# KiCad board soldiercrab_panel.kicad_pcb
title: SoldierCrab; date: ${DATE}; rev: ${VERSION}; company: S.Holzapfel, apfelaudio UG (haftungsbeschränkt); note: Licensed under the CERN-OHL-S v2
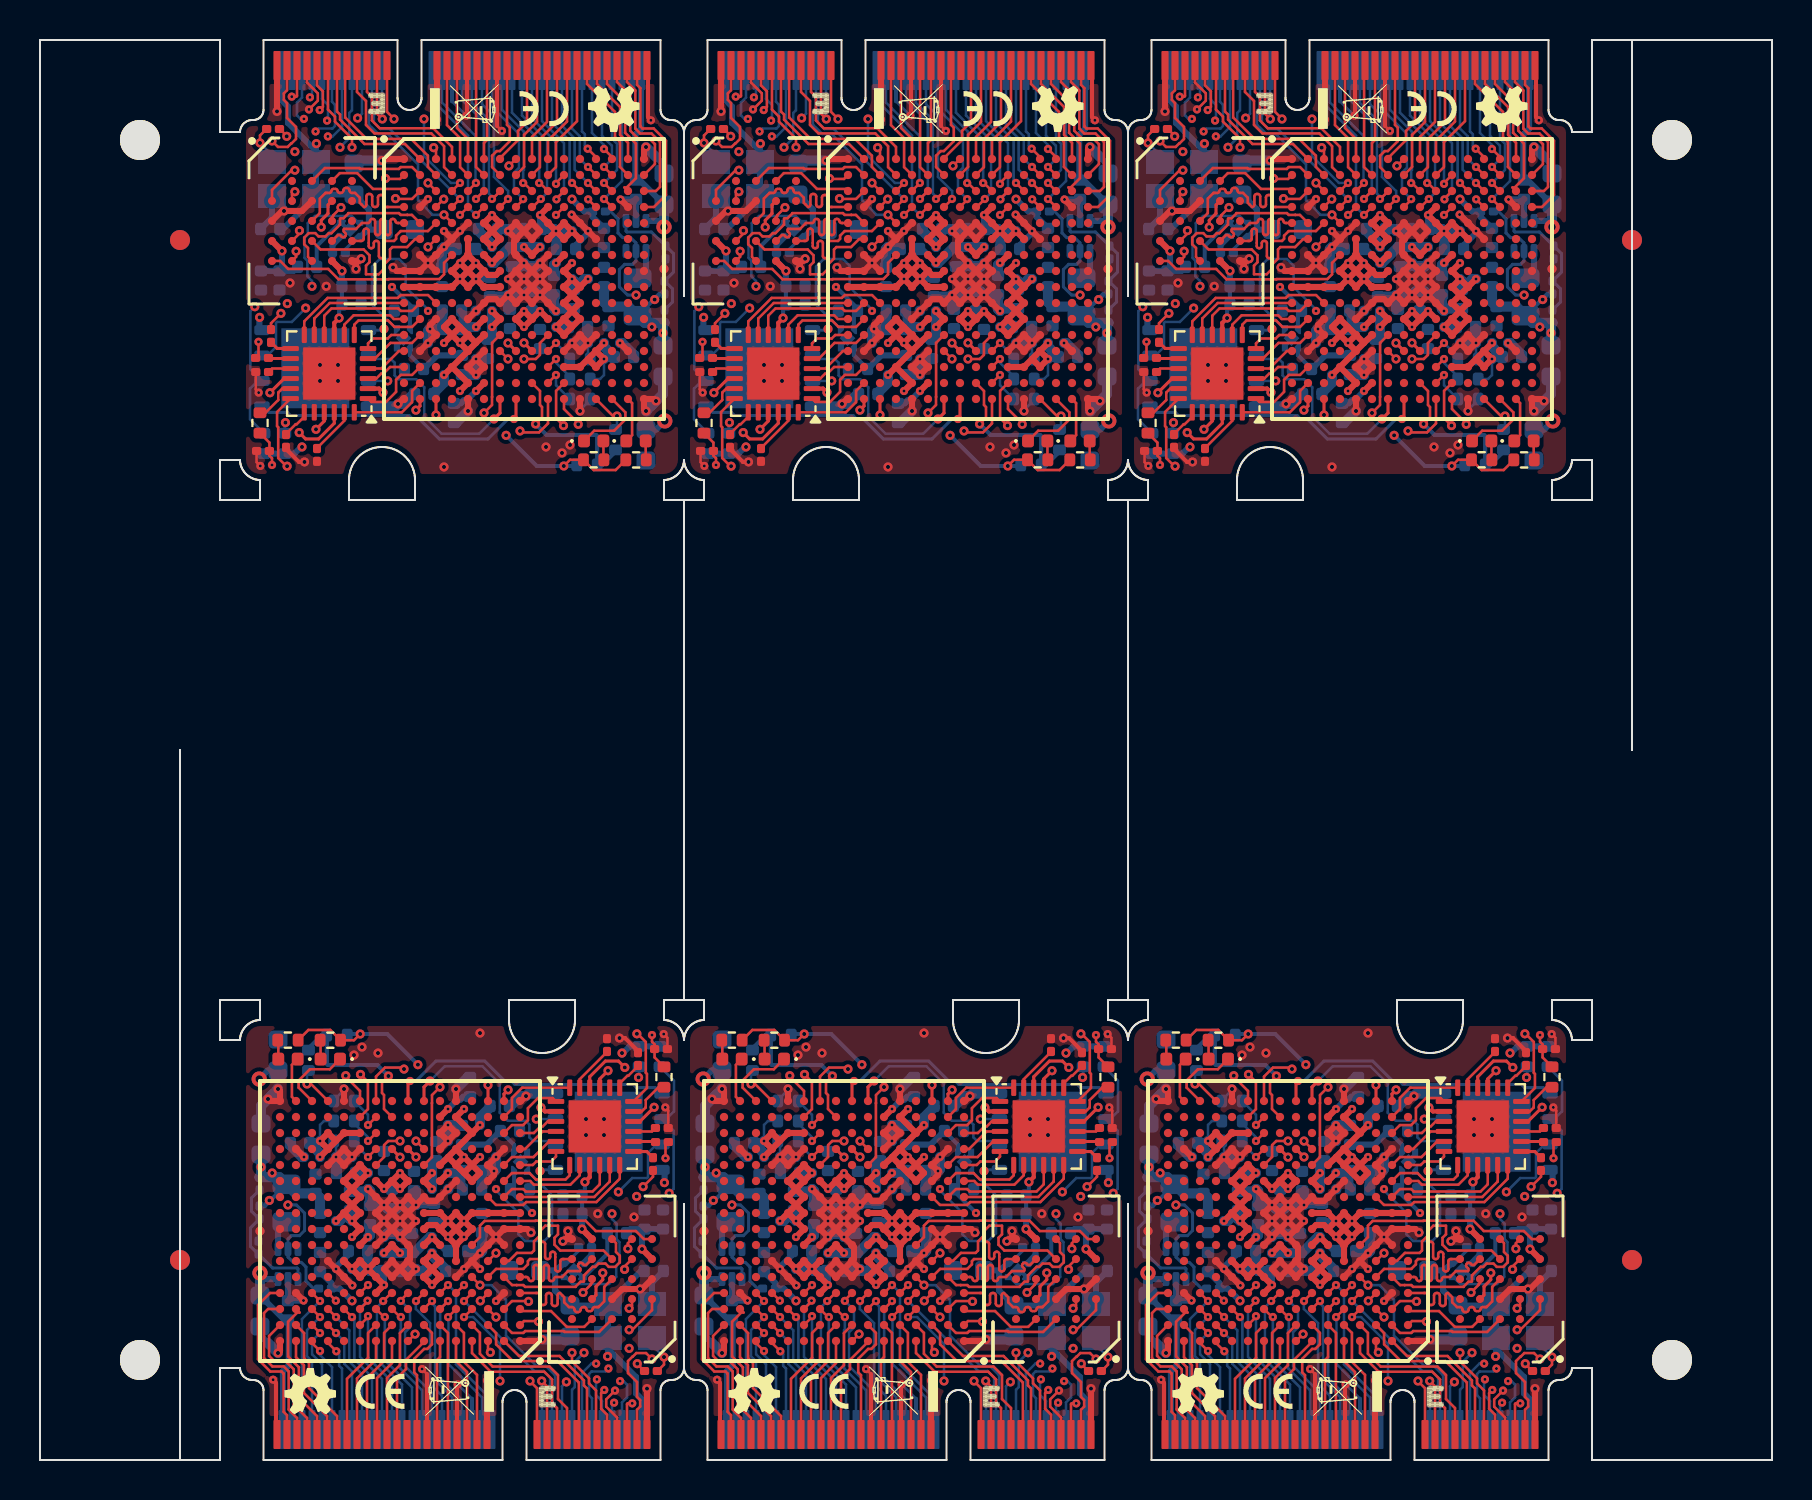
[diagram p0: board, top side]
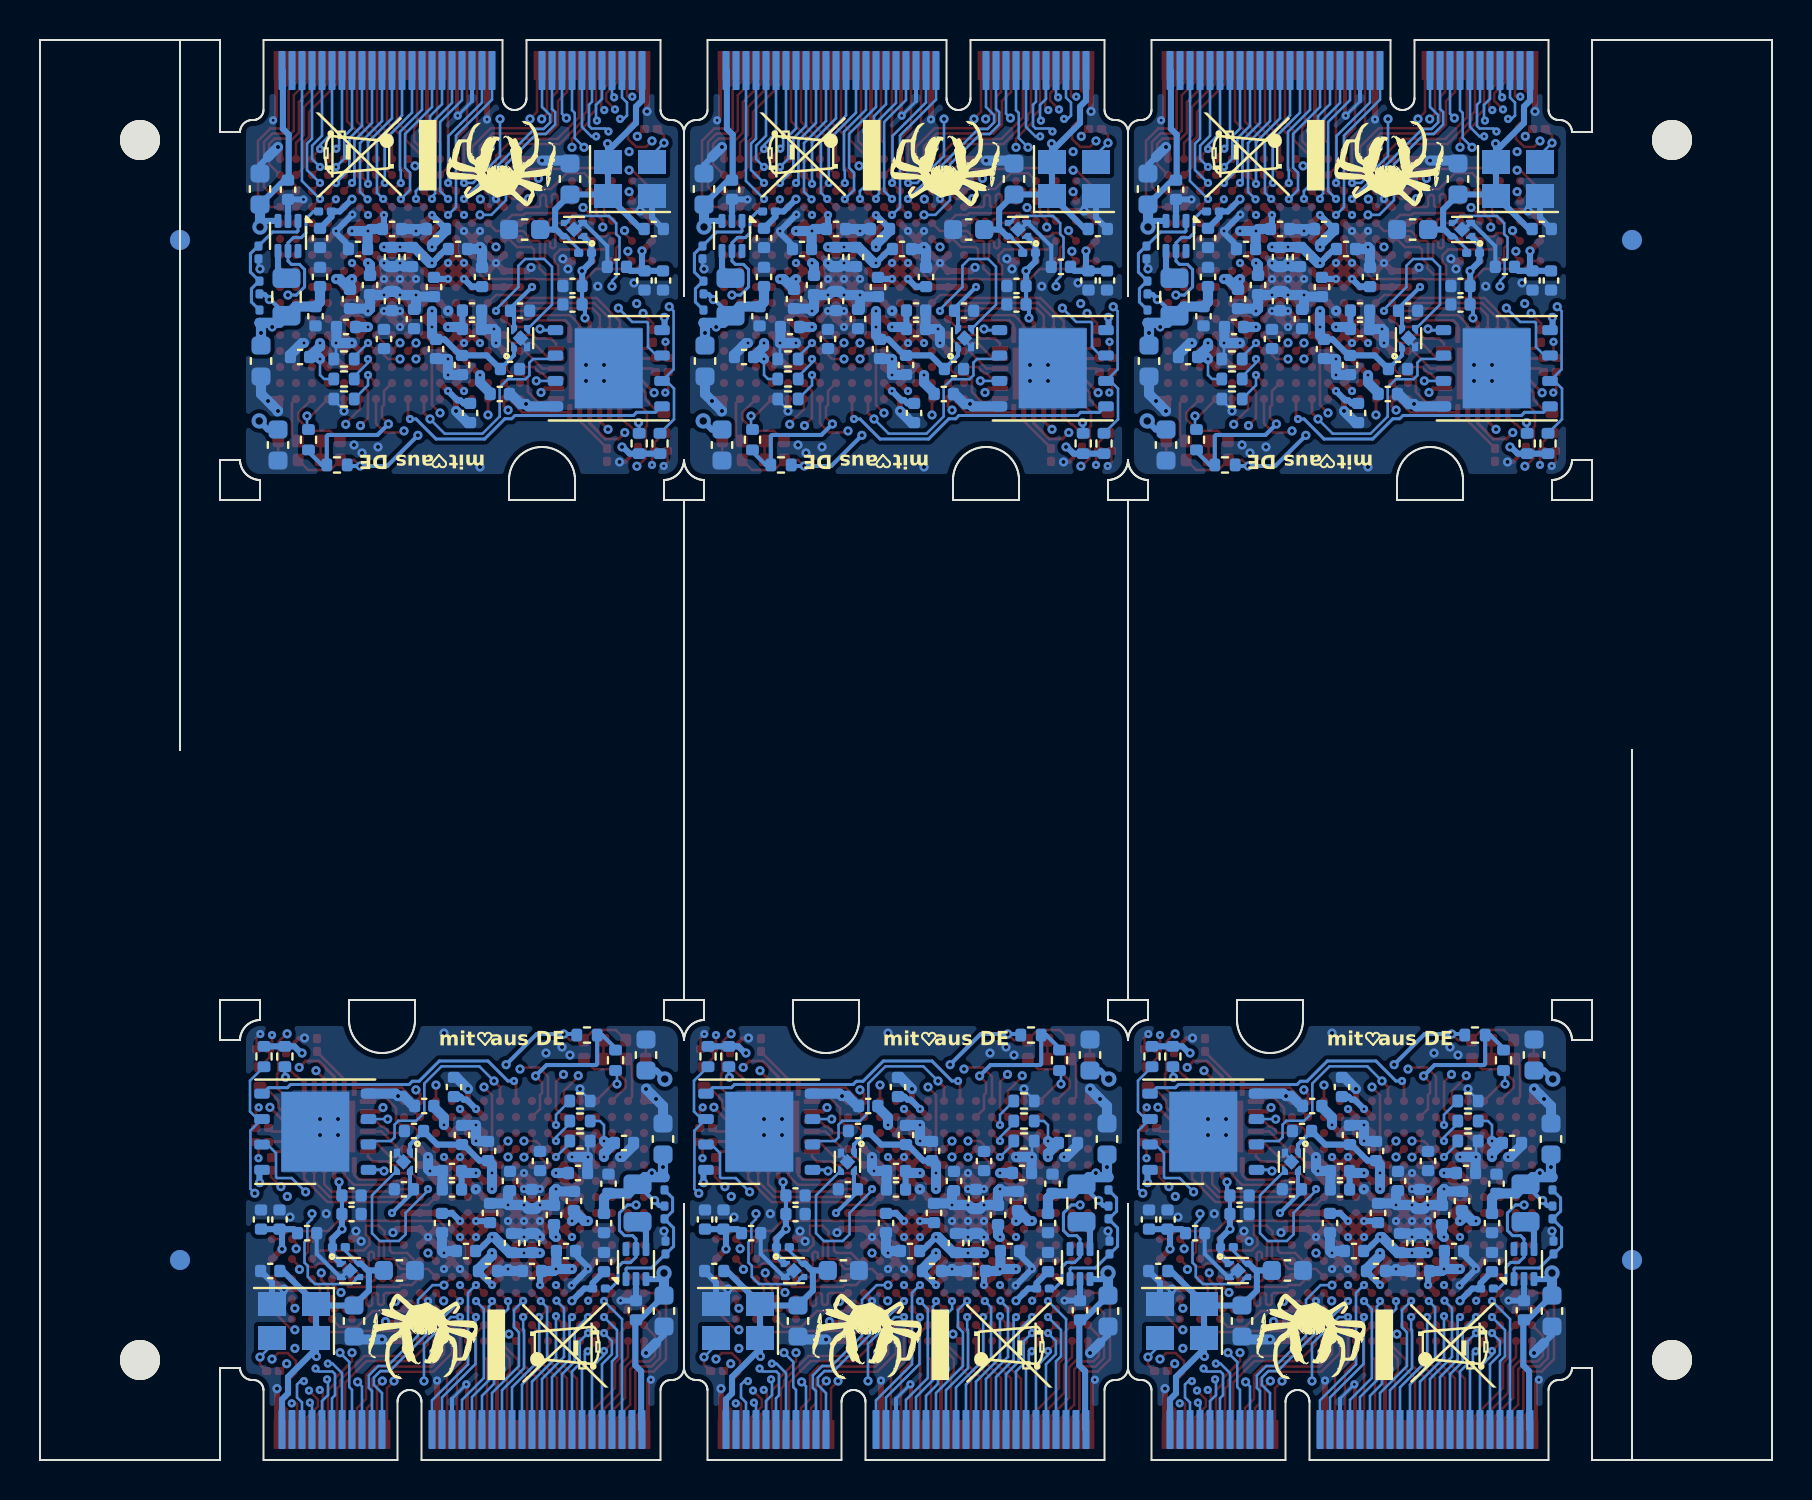
[diagram p1: board, bottom side, seen from below]

Outline 86.6 x 71 mm; copper layers: Top, In1.Cu, In2.Cu, In3.Cu, In4.Cu, Bottom. Coordinates in mm from the lower left corner of the outline.
Outline path: 7,0 0,0 0,71 9,71 9,66.4 10,66.4 10.01,66.46 10.02,66.53 10.04,66.59 10.06,66.65 10.09,66.71 10.13,66.76 10.17,66.81 10.22,66.85 10.27,66.89 10.32,66.93 10.38,66.95 10.44,66.97 10.5,66.99 10.57,67 10.6,67 10.7,67 10.75,67.01 10.78,67.01 10.83,67.03 10.88,67.04 10.92,67.07 10.97,67.1 10.99,67.11 11.03,67.15 11.06,67.19 11.09,67.23 11.12,67.27 11.14,67.32 11.16,67.37 11.16,67.4 11.17,67.45 11.17,67.5 11.17,71 17.87,71 17.87,68.1 17.88,68.07 17.88,68.01 17.89,67.95 17.91,67.89 17.93,67.84 17.95,67.81 17.98,67.76 18,67.74 18.03,67.69 18.08,67.65 18.12,67.61 18.17,67.58 18.23,67.55 18.26,67.54 18.28,67.53 18.34,67.52 18.4,67.5 18.46,67.5 18.52,67.5 18.58,67.51 18.64,67.52 18.69,67.54 18.72,67.55 18.77,67.58 18.82,67.61 18.87,67.65 18.91,67.69 18.95,67.74 18.97,67.76 19,67.81 19.02,67.84 19.04,67.89 19.06,67.95 19.07,68.01 19.07,68.04 19.07,68.1 19.07,71 31.02,71 31.02,67.5 31.03,67.45 31.04,67.39 31.05,67.34 31.07,67.29 31.1,67.24 31.13,67.2 31.17,67.16 31.21,67.12 31.25,67.09 31.29,67.06 31.32,67.05 31.37,67.03 31.39,67.02 31.45,67.01 31.5,67 31.6,67 31.63,67 31.7,66.99 31.76,66.97 31.82,66.95 31.88,66.93 31.93,66.89 31.98,66.85 32.03,66.81 32.07,66.76 32.11,66.71 32.14,66.65 32.16,66.59 32.18,66.53 32.19,66.46 32.2,66.4 ; 7,0 7,35.5 7,23 7,0 ; 7,0 9,0 9,4.6 10,4.6 10.01,4.54 10.02,4.47 10.04,4.41 10.06,4.35 10.09,4.29 10.13,4.24 10.17,4.19 10.22,4.15 10.27,4.11 10.32,4.07 10.38,4.05 10.44,4.03 10.5,4.01 10.57,4 10.6,4 10.7,4 10.75,3.99 10.78,3.99 10.83,3.97 10.88,3.95 10.91,3.94 10.95,3.91 10.99,3.88 11.03,3.84 11.07,3.8 11.1,3.76 11.13,3.71 11.15,3.66 11.16,3.61 11.17,3.55 11.18,3.5 11.18,0 23.13,0 23.13,2.9 23.13,2.96 23.13,2.99 23.14,3.05 23.15,3.08 23.17,3.13 23.2,3.19 23.23,3.24 23.27,3.29 23.29,3.31 23.33,3.35 23.38,3.39 23.43,3.42 23.48,3.45 23.51,3.46 23.56,3.48 23.62,3.49 23.68,3.5 23.74,3.5 23.8,3.5 23.86,3.48 23.89,3.48 23.94,3.46 23.97,3.45 24.03,3.42 24.08,3.39 24.12,3.35 24.17,3.31 24.19,3.29 24.22,3.24 24.25,3.19 24.28,3.13 24.3,3.08 24.31,3.05 24.32,2.99 24.32,2.93 24.33,2.9 24.33,0 31.03,0 31.03,3.5 31.03,3.55 31.04,3.6 31.04,3.63 31.06,3.68 31.08,3.73 31.11,3.77 31.14,3.81 31.17,3.85 31.21,3.89 31.26,3.92 31.28,3.93 31.3,3.94 31.35,3.97 31.4,3.98 31.45,3.99 31.5,4 31.6,4 31.63,4 31.7,4.01 31.76,4.03 31.82,4.05 31.88,4.07 31.93,4.11 31.98,4.15 32.03,4.19 32.07,4.24 32.11,4.29 32.14,4.35 32.16,4.41 32.18,4.47 32.19,4.54 32.2,4.6 ; 32.2,23 31.2,23 31.2,22 31.25,22 31.3,21.99 31.36,21.98 31.41,21.97 31.46,21.96 31.51,21.95 31.55,21.93 31.6,21.91 31.65,21.88 31.69,21.86 31.74,21.83 31.78,21.8 31.82,21.77 31.86,21.74 31.9,21.7 31.94,21.66 31.97,21.62 32,21.58 32.03,21.54 32.06,21.49 32.08,21.45 32.11,21.4 32.13,21.35 32.15,21.31 32.16,21.26 32.17,21.21 32.18,21.16 32.19,21.1 32.2,21.05 32.2,21 32.2,21.05 32.21,21.1 32.22,21.16 32.23,21.21 32.24,21.26 32.25,21.31 32.27,21.35 32.29,21.4 32.32,21.45 32.34,21.49 32.37,21.54 32.4,21.58 32.43,21.62 32.46,21.66 32.5,21.7 32.54,21.74 32.58,21.77 32.62,21.8 32.66,21.83 32.71,21.86 32.75,21.88 32.8,21.91 32.85,21.93 32.89,21.95 32.94,21.96 32.99,21.97 33.04,21.98 33.1,21.99 33.15,22 33.2,22 33.2,23 32.2,23 ; 32.2,23 32.2,35.5 ; 32.2,23 32.2,35.5 ; 32.2,4.6 32.2,12.8 32.2,4.6 ; 32.2,4.6 32.21,4.54 32.22,4.47 32.24,4.41 32.26,4.35 32.29,4.29 32.33,4.24 32.37,4.19 32.42,4.15 32.47,4.11 32.52,4.07 32.58,4.05 32.64,4.03 32.7,4.01 32.77,4 32.8,4 32.9,4 32.95,3.99 32.98,3.99 33.03,3.97 33.08,3.95 33.11,3.94 33.15,3.91 33.19,3.88 33.23,3.84 33.27,3.8 33.3,3.76 33.33,3.71 33.35,3.66 33.36,3.61 33.37,3.55 33.38,3.5 33.38,0 45.33,0 45.33,2.9 45.33,2.96 45.33,2.99 45.34,3.02 45.35,3.08 45.37,3.13 45.4,3.19 45.43,3.24 45.47,3.29 45.49,3.31 45.53,3.35 45.58,3.39 45.63,3.42 45.68,3.45 45.71,3.46 45.76,3.48 45.82,3.49 45.88,3.5 45.94,3.5 46,3.5 46.06,3.48 46.09,3.48 46.14,3.46 46.17,3.45 46.23,3.42 46.28,3.39 46.32,3.35 46.37,3.31 46.39,3.29 46.42,3.24 46.45,3.19 46.48,3.13 46.5,3.08 46.51,3.05 46.52,2.99 46.52,2.96 46.53,2.9 46.53,0 53.23,0 53.23,3.5 53.23,3.53 53.23,3.58 53.24,3.63 53.26,3.68 53.28,3.73 53.31,3.77 53.34,3.81 53.37,3.85 53.41,3.89 53.46,3.92 53.48,3.93 53.5,3.94 53.55,3.97 53.6,3.98 53.65,3.99 53.7,4 53.8,4 53.83,4 53.9,4.01 53.96,4.03 54.02,4.05 54.08,4.07 54.13,4.11 54.18,4.15 54.23,4.19 54.27,4.24 54.31,4.29 54.34,4.35 54.36,4.41 54.38,4.47 54.39,4.54 54.4,4.6 ; 32.2,66.4 32.2,58.2 32.2,66.4 ; 32.2,66.4 32.21,66.46 32.22,66.53 32.24,66.59 32.26,66.65 32.29,66.71 32.33,66.76 32.37,66.81 32.42,66.85 32.47,66.89 32.52,66.93 32.58,66.95 32.64,66.97 32.7,66.99 32.77,67 32.8,67 32.9,67 32.95,67.01 32.98,67.01 33.03,67.03 33.08,67.04 33.12,67.07 33.17,67.1 33.19,67.11 33.23,67.15 33.26,67.19 33.29,67.23 33.32,67.27 33.34,67.32 33.36,67.37 33.36,67.4 33.37,67.45 33.37,67.5 33.37,71 40.07,71 40.07,68.1 40.08,68.04 40.08,68.01 40.09,67.98 40.1,67.92 40.12,67.87 40.15,67.81 40.16,67.79 40.2,67.74 40.23,67.69 40.28,67.65 40.32,67.61 40.35,67.6 40.4,67.57 40.46,67.54 40.51,67.52 40.57,67.51 40.63,67.5 40.66,67.5 40.72,67.5 40.78,67.51 40.84,67.52 40.87,67.53 40.92,67.55 40.97,67.58 41.02,67.61 41.07,67.65 41.11,67.69 41.15,67.74 41.19,67.79 41.2,67.81 41.23,67.87 41.25,67.92 41.26,67.98 41.27,68.01 41.27,68.04 41.27,68.1 41.27,71 53.22,71 53.22,67.5 53.23,67.45 53.24,67.39 53.25,67.34 53.27,67.29 53.3,67.24 53.33,67.2 53.37,67.16 53.41,67.12 53.45,67.09 53.49,67.06 53.52,67.05 53.57,67.03 53.59,67.02 53.65,67.01 53.7,67 53.8,67 53.83,67 53.9,66.99 53.96,66.97 54.02,66.95 54.08,66.93 54.13,66.89 54.18,66.85 54.23,66.81 54.27,66.76 54.31,66.71 54.34,66.65 54.36,66.59 54.38,66.53 54.39,66.46 54.4,66.4 ; 32.2,48 31.2,48 31.2,49 31.25,49 31.3,49.01 31.36,49.02 31.41,49.03 31.46,49.04 31.51,49.05 31.55,49.07 31.6,49.09 31.65,49.12 31.69,49.14 31.74,49.17 31.78,49.2 31.82,49.23 31.86,49.26 31.9,49.3 31.94,49.34 31.97,49.38 32,49.42 32.03,49.46 32.06,49.51 32.08,49.55 32.11,49.6 32.13,49.65 32.15,49.69 32.16,49.74 32.17,49.79 32.18,49.84 32.19,49.9 32.2,49.95 32.2,50 32.2,49.95 32.21,49.9 32.22,49.84 32.23,49.79 32.24,49.74 32.25,49.69 32.27,49.65 32.29,49.6 32.32,49.55 32.34,49.51 32.37,49.46 32.4,49.42 32.43,49.38 32.46,49.34 32.5,49.3 32.54,49.26 32.58,49.23 32.62,49.2 32.66,49.17 32.71,49.14 32.75,49.12 32.8,49.09 32.85,49.07 32.89,49.05 32.94,49.04 32.99,49.03 33.04,49.02 33.1,49.01 33.15,49 33.2,49 33.2,48 32.2,48 ; 32.2,48 32.2,35.5 ; 32.2,48 32.2,35.5 ; 54.4,23 53.4,23 53.4,22 53.45,22 53.5,21.99 53.56,21.98 53.61,21.97 53.66,21.96 53.71,21.95 53.75,21.93 53.8,21.91 53.85,21.88 53.89,21.86 53.94,21.83 53.98,21.8 54.02,21.77 54.06,21.74 54.1,21.7 54.14,21.66 54.17,21.62 54.2,21.58 54.23,21.54 54.26,21.49 54.28,21.45 54.31,21.4 54.33,21.35 54.35,21.31 54.36,21.26 54.37,21.21 54.38,21.16 54.39,21.1 54.4,21.05 54.4,21 54.4,21.05 54.41,21.1 54.42,21.16 54.43,21.21 54.44,21.26 54.45,21.31 54.47,21.35 54.49,21.4 54.52,21.45 54.54,21.49 54.57,21.54 54.6,21.58 54.63,21.62 54.66,21.66 54.7,21.7 54.74,21.74 54.78,21.77 54.82,21.8 54.86,21.83 54.91,21.86 54.95,21.88 55,21.91 55.05,21.93 55.09,21.95 55.14,21.96 55.19,21.97 55.24,21.98 55.3,21.99 55.35,22 55.4,22 55.4,23 54.4,23 ; 54.4,23 54.4,35.5 ; 54.4,23 54.4,35.5 ; 54.4,4.6 54.4,12.8 54.4,4.6 ; 54.4,4.6 54.41,4.54 54.42,4.47 54.44,4.41 54.46,4.35 54.49,4.29 54.53,4.24 54.57,4.19 54.62,4.15 54.67,4.11 54.72,4.07 54.78,4.05 54.84,4.03 54.9,4.01 54.97,4 55,4 55.1,4 55.15,3.99 55.18,3.99 55.23,3.97 55.28,3.95 55.31,3.94 55.35,3.91 55.39,3.88 55.43,3.84 55.47,3.8 55.5,3.76 55.53,3.71 55.55,3.66 55.56,3.61 55.57,3.55 55.58,3.5 55.58,0 67.53,0 67.53,2.9 67.53,2.96 67.53,2.99 67.54,3.02 67.55,3.08 67.57,3.13 67.6,3.19 67.63,3.24 67.67,3.29 67.69,3.31 67.73,3.35 67.78,3.39 67.83,3.42 67.88,3.45 67.91,3.46 67.96,3.48 68.02,3.49 68.08,3.5 68.14,3.5 68.2,3.5 68.26,3.48 68.29,3.48 68.34,3.46 68.37,3.45 68.43,3.42 68.48,3.39 68.52,3.35 68.57,3.31 68.59,3.29 68.62,3.24 68.65,3.19 68.68,3.13 68.7,3.08 68.71,3.02 68.72,2.99 68.72,2.96 68.73,2.9 68.73,0 75.43,0 75.43,3.5 75.43,3.53 75.43,3.58 75.44,3.63 75.46,3.68 75.48,3.73 75.51,3.77 75.54,3.81 75.57,3.85 75.59,3.87 75.63,3.9 75.68,3.93 75.7,3.94 75.75,3.97 75.8,3.98 75.85,3.99 75.9,4 76,4 76.03,4 76.1,4.01 76.16,4.03 76.22,4.05 76.28,4.07 76.33,4.11 76.38,4.15 76.43,4.19 76.47,4.24 76.51,4.29 76.54,4.35 76.56,4.41 76.58,4.47 76.59,4.54 76.6,4.6 77.6,4.6 77.6,0 79.6,0 86.6,0 86.6,71 79.6,71 ; 54.4,66.4 54.4,58.2 54.4,66.4 ; 54.4,66.4 54.41,66.46 54.42,66.53 54.44,66.59 54.46,66.65 54.49,66.71 54.53,66.76 54.57,66.81 54.62,66.85 54.67,66.89 54.72,66.93 54.78,66.95 54.84,66.97 54.9,66.99 54.97,67 55,67 55.1,67 55.15,67.01 55.2,67.02 55.25,67.03 55.28,67.04 55.32,67.07 55.37,67.1 55.41,67.13 55.44,67.17 55.48,67.21 55.5,67.25 55.52,67.27 55.54,67.32 55.56,67.37 55.57,67.42 55.57,67.47 55.57,67.5 55.57,71 62.27,71 62.27,68.1 62.28,68.04 62.28,68.01 62.29,67.98 62.3,67.92 62.32,67.87 62.35,67.81 62.38,67.76 62.4,67.74 62.43,67.69 62.48,67.65 62.52,67.61 62.57,67.58 62.6,67.57 62.66,67.54 62.68,67.53 62.74,67.52 62.8,67.5 62.86,67.5 62.89,67.5 62.95,67.5 63.01,67.52 63.07,67.53 63.09,67.54 63.15,67.57 63.2,67.6 63.25,67.63 63.29,67.67 63.33,67.71 63.37,67.76 63.39,67.79 63.42,67.84 63.44,67.89 63.46,67.95 63.47,68.01 63.47,68.04 63.47,68.1 63.47,71 75.42,71 75.42,67.5 75.43,67.45 75.44,67.39 75.45,67.34 75.47,67.29 75.5,67.24 75.53,67.2 75.57,67.16 75.61,67.12 75.65,67.09 75.69,67.06 75.74,67.04 75.77,67.03 75.79,67.02 75.85,67.01 75.9,67 76,67 76.03,67 76.1,66.99 76.16,66.97 76.22,66.95 76.28,66.93 76.33,66.89 76.38,66.85 76.43,66.81 76.47,66.76 76.51,66.71 76.54,66.65 76.56,66.59 76.58,66.53 76.59,66.46 76.6,66.4 77.6,66.4 77.6,71 79.6,71 ; 54.4,48 53.4,48 53.4,49 53.45,49 53.5,49.01 53.56,49.02 53.61,49.03 53.66,49.04 53.71,49.05 53.75,49.07 53.8,49.09 53.85,49.12 53.89,49.14 53.94,49.17 53.98,49.2 54.02,49.23 54.06,49.26 54.1,49.3 54.14,49.34 54.17,49.38 54.2,49.42 54.23,49.46 54.26,49.51 54.28,49.55 54.31,49.6 54.33,49.65 54.35,49.69 54.36,49.74 54.37,49.79 54.38,49.84 54.39,49.9 54.4,49.95 54.4,50 54.4,49.95 54.41,49.9 54.42,49.84 54.43,49.79 54.44,49.74 54.45,49.69 54.47,49.65 54.49,49.6 54.52,49.55 54.54,49.51 54.57,49.46 54.6,49.42 54.63,49.38 54.66,49.34 54.7,49.3 54.74,49.26 54.78,49.23 54.82,49.2 54.86,49.17 54.91,49.14 54.95,49.12 55,49.09 55.05,49.07 55.09,49.05 55.14,49.04 55.19,49.03 55.24,49.02 55.3,49.01 55.35,49 55.4,49 55.4,48 54.4,48 ; 54.4,48 54.4,35.5 ; 54.4,48 54.4,35.5 ; 79.6,71 79.6,35.5 79.6,71 ; 9,50 10,50 10,49.95 10.01,49.9 10.02,49.84 10.03,49.79 10.04,49.74 10.05,49.69 10.07,49.65 10.09,49.6 10.12,49.55 10.14,49.51 10.17,49.46 10.2,49.42 10.23,49.38 10.26,49.34 10.3,49.3 10.34,49.26 10.38,49.23 10.42,49.2 10.46,49.17 10.51,49.14 10.55,49.12 10.6,49.09 10.65,49.07 10.69,49.05 10.74,49.04 10.79,49.03 10.84,49.02 10.9,49.01 10.95,49 11,49 11,48 9,48 9,50 ; 9,23 11,23 11,22 10.95,22 10.9,21.99 10.84,21.98 10.79,21.97 10.74,21.96 10.69,21.95 10.65,21.93 10.6,21.91 10.55,21.88 10.51,21.86 10.46,21.83 10.42,21.8 10.38,21.77 10.34,21.74 10.3,21.7 10.26,21.66 10.23,21.62 10.2,21.58 10.17,21.54 10.14,21.49 10.12,21.45 10.09,21.4 10.07,21.35 10.05,21.31 10.04,21.26 10.03,21.21 10.02,21.16 10.01,21.1 10,21.05 10,21 9,21 9,23 ; 15.45,49 15.45,49.08 15.46,49.16 15.47,49.25 15.48,49.33 15.5,49.41 15.52,49.49 15.55,49.56 15.58,49.64 15.61,49.72 15.65,49.79 15.69,49.86 15.74,49.93 15.78,50 15.84,50.06 15.89,50.12 15.95,50.18 16.01,50.24 16.07,50.29 16.14,50.34 16.2,50.39 16.27,50.43 16.35,50.47 16.42,50.5 16.5,50.54 16.57,50.56 16.65,50.59 16.73,50.61 16.81,50.63 16.89,50.64 16.98,50.65 17.06,50.65 17.14,50.65 17.22,50.65 17.3,50.64 17.39,50.63 17.47,50.61 17.55,50.59 17.63,50.56 17.7,50.54 17.78,50.5 17.85,50.47 17.92,50.43 18,50.39 18.06,50.34 18.13,50.29 18.19,50.24 18.25,50.18 18.31,50.12 18.36,50.06 18.42,50 18.46,49.93 18.51,49.86 18.55,49.79 18.59,49.72 18.62,49.64 18.65,49.56 18.68,49.49 18.7,49.41 18.72,49.33 18.73,49.25 18.74,49.16 18.75,49.08 18.75,49 18.75,48 15.45,48 15.45,49 ; 23.45,23 26.75,23 26.75,22 26.75,21.92 26.74,21.84 26.73,21.75 26.72,21.67 26.7,21.59 26.68,21.51 26.65,21.44 26.62,21.36 26.59,21.28 26.55,21.21 26.51,21.14 26.46,21.07 26.42,21 26.36,20.94 26.31,20.88 26.25,20.82 26.19,20.76 26.13,20.71 26.06,20.66 26,20.61 25.93,20.57 25.85,20.53 25.78,20.5 25.7,20.46 25.63,20.44 25.55,20.41 25.47,20.39 25.39,20.37 25.31,20.36 25.22,20.35 25.14,20.35 25.06,20.35 24.98,20.35 24.9,20.36 24.81,20.37 24.73,20.39 24.65,20.41 24.57,20.44 24.5,20.46 24.42,20.5 24.35,20.53 24.28,20.57 24.21,20.61 24.14,20.66 24.07,20.71 24.01,20.76 23.95,20.82 23.89,20.88 23.84,20.94 23.78,21 23.74,21.07 23.69,21.14 23.65,21.21 23.61,21.28 23.58,21.36 23.55,21.44 23.52,21.51 23.5,21.59 23.48,21.67 23.47,21.75 23.46,21.84 23.45,21.92 23.45,22 23.45,23 ; 37.65,49 37.65,49.08 37.66,49.16 37.67,49.25 37.68,49.33 37.7,49.41 37.72,49.49 37.75,49.56 37.78,49.64 37.81,49.72 37.85,49.79 37.89,49.86 37.94,49.93 37.98,50 38.04,50.06 38.09,50.12 38.15,50.18 38.21,50.24 38.27,50.29 38.34,50.34 38.4,50.39 38.47,50.43 38.55,50.47 38.62,50.5 38.7,50.54 38.77,50.56 38.85,50.59 38.93,50.61 39.01,50.63 39.09,50.64 39.18,50.65 39.26,50.65 39.34,50.65 39.42,50.65 39.5,50.64 39.59,50.63 39.67,50.61 39.75,50.59 39.83,50.56 39.9,50.54 39.98,50.5 40.05,50.47 40.12,50.43 40.2,50.39 40.26,50.34 40.33,50.29 40.39,50.24 40.45,50.18 40.51,50.12 40.56,50.06 40.62,50 40.66,49.93 40.71,49.86 40.75,49.79 40.79,49.72 40.82,49.64 40.85,49.56 40.88,49.49 40.9,49.41 40.92,49.33 40.93,49.25 40.94,49.16 40.95,49.08 40.95,49 40.95,48 37.65,48 37.65,49 ; 45.65,23 48.95,23 48.95,22 48.95,21.92 48.94,21.84 48.93,21.75 48.92,21.67 48.9,21.59 48.88,21.51 48.85,21.44 48.82,21.36 48.79,21.28 48.75,21.21 48.71,21.14 48.66,21.07 48.62,21 48.56,20.94 48.51,20.88 48.45,20.82 48.39,20.76 48.33,20.71 48.26,20.66 48.2,20.61 48.13,20.57 48.05,20.53 47.98,20.5 47.9,20.46 47.83,20.44 47.75,20.41 47.67,20.39 47.59,20.37 47.51,20.36 47.42,20.35 47.34,20.35 47.26,20.35 47.18,20.35 47.1,20.36 47.01,20.37 46.93,20.39 46.85,20.41 46.77,20.44 46.7,20.46 46.62,20.5 46.55,20.53 46.48,20.57 46.41,20.61 46.34,20.66 46.27,20.71 46.21,20.76 46.15,20.82 46.09,20.88 46.04,20.94 45.98,21 45.94,21.07 45.89,21.14 45.85,21.21 45.81,21.28 45.78,21.36 45.75,21.44 45.72,21.51 45.7,21.59 45.68,21.67 45.67,21.75 45.66,21.84 45.65,21.92 45.65,22 45.65,23 ; 59.85,49 59.85,49.08 59.86,49.16 59.87,49.25 59.88,49.33 59.9,49.41 59.92,49.49 59.95,49.56 59.98,49.64 60.01,49.72 60.05,49.79 60.09,49.86 60.14,49.93 60.18,50 60.24,50.06 60.29,50.12 60.35,50.18 60.41,50.24 60.47,50.29 60.54,50.34 60.6,50.39 60.67,50.43 60.75,50.47 60.82,50.5 60.9,50.54 60.97,50.56 61.05,50.59 61.13,50.61 61.21,50.63 61.29,50.64 61.38,50.65 61.46,50.65 61.54,50.65 61.62,50.65 61.7,50.64 61.79,50.63 61.87,50.61 61.95,50.59 62.03,50.56 62.1,50.54 62.18,50.5 62.25,50.47 62.32,50.43 62.4,50.39 62.46,50.34 62.53,50.29 62.59,50.24 62.65,50.18 62.71,50.12 62.76,50.06 62.82,50 62.86,49.93 62.91,49.86 62.95,49.79 62.99,49.72 63.02,49.64 63.05,49.56 63.08,49.49 63.1,49.41 63.12,49.33 63.13,49.25 63.14,49.16 63.15,49.08 63.15,49 63.15,48 59.85,48 59.85,49 ; 67.85,23 71.15,23 71.15,22 71.15,21.92 71.14,21.84 71.13,21.75 71.12,21.67 71.1,21.59 71.08,21.51 71.05,21.44 71.02,21.36 70.99,21.28 70.95,21.21 70.91,21.14 70.86,21.07 70.82,21 70.76,20.94 70.71,20.88 70.65,20.82 70.59,20.76 70.53,20.71 70.46,20.66 70.4,20.61 70.33,20.57 70.25,20.53 70.18,20.5 70.1,20.46 70.03,20.44 69.95,20.41 69.87,20.39 69.79,20.37 69.71,20.36 69.62,20.35 69.54,20.35 69.46,20.35 69.38,20.35 69.3,20.36 69.21,20.37 69.13,20.39 69.05,20.41 68.97,20.44 68.9,20.46 68.82,20.5 68.75,20.53 68.68,20.57 68.61,20.61 68.54,20.66 68.47,20.71 68.41,20.76 68.35,20.82 68.29,20.88 68.24,20.94 68.18,21 68.14,21.07 68.09,21.14 68.05,21.21 68.01,21.28 67.98,21.36 67.95,21.44 67.92,21.51 67.9,21.59 67.88,21.67 67.87,21.75 67.86,21.84 67.85,21.92 67.85,22 67.85,23 ; 75.6,49 75.65,49 75.7,49.01 75.76,49.02 75.81,49.03 75.86,49.04 75.91,49.05 75.95,49.07 76,49.09 76.05,49.12 76.09,49.14 76.14,49.17 76.18,49.2 76.22,49.23 76.26,49.26 76.3,49.3 76.34,49.34 76.37,49.38 76.4,49.42 76.43,49.46 76.46,49.51 76.48,49.55 76.51,49.6 76.53,49.65 76.55,49.69 76.56,49.74 76.57,49.79 76.58,49.84 76.59,49.9 76.6,49.95 76.6,50 77.6,50 77.6,48 75.6,48 75.6,49 ; 75.6,23 77.6,23 77.6,21 76.6,21 76.6,21.05 76.59,21.1 76.58,21.16 76.57,21.21 76.56,21.26 76.55,21.31 76.53,21.35 76.51,21.4 76.48,21.45 76.46,21.49 76.43,21.54 76.4,21.58 76.37,21.62 76.34,21.66 76.3,21.7 76.26,21.74 76.22,21.77 76.18,21.8 76.14,21.83 76.09,21.86 76.05,21.88 76,21.91 75.95,21.93 75.91,21.95 75.86,21.96 75.81,21.97 75.76,21.98 75.7,21.99 75.65,22 75.6,22 75.6,23
Stack: Top 0.035mm / dielectric 0.1164mm 2116 er 4.25 / In1.Cu 0.0152mm / dielectric 0.13mm FR4 er 4.6 / In2.Cu 0.0152mm / dielectric 0.2028mm 2116 er 4.25 / In3.Cu 0.0152mm / dielectric 0.13mm FR4 er 4.6 / In4.Cu 0.0152mm / dielectric 0.1164mm 2116 er 4.05 / Bottom 0.035mm

## Placement (name value [footprint] x y rotation side)
C1  2.2uF  [C_0603_1608Metric]  52.5 50.75 270 bottom
C1#2  2.2uF  [C_0603_1608Metric]  11.9 20.25 90 bottom
C1#3  2.2uF  [C_0603_1608Metric]  34.1 20.25 90 bottom
C1#4  2.2uF  [C_0603_1608Metric]  30.3 50.75 270 bottom
C1#5  2.2uF  [C_0603_1608Metric]  74.7 50.75 270 bottom
C1#6  2.2uF  [C_0603_1608Metric]  56.3 20.25 90 bottom
C2  2.2uF  [C_0603_1608Metric]  75.6 63.55 90 bottom
C2#2  2.2uF  [C_0603_1608Metric]  55.4 7.45 270 bottom
C2#3  2.2uF  [C_0603_1608Metric]  11 7.45 270 bottom
C2#4  2.2uF  [C_0603_1608Metric]  33.2 7.45 270 bottom
C2#5  2.2uF  [C_0603_1608Metric]  53.4 63.55 90 bottom
C2#6  2.2uF  [C_0603_1608Metric]  31.2 63.55 90 bottom
C3  2.2uF  [C_0603_1608Metric]  75.55 54.95 270 bottom
C3#2  2.2uF  [C_0603_1608Metric]  55.45 16.05 90 bottom
C3#3  2.2uF  [C_0603_1608Metric]  31.15 54.95 270 bottom
C3#4  2.2uF  [C_0603_1608Metric]  11.05 16.05 90 bottom
C3#5  2.2uF  [C_0603_1608Metric]  53.35 54.95 270 bottom
C3#6  2.2uF  [C_0603_1608Metric]  33.25 16.05 90 bottom
C4  2.2uF  [C_0603_1608Metric]  48.7 6.95 270 bottom
C4#2  2.2uF  [C_0603_1608Metric]  70.9 6.95 270 bottom
C4#3  2.2uF  [C_0603_1608Metric]  60.1 64.05 90 bottom
C4#4  2.2uF  [C_0603_1608Metric]  15.7 64.05 90 bottom
C4#5  2.2uF  [C_0603_1608Metric]  26.5 6.95 270 bottom
C4#6  2.2uF  [C_0603_1608Metric]  37.9 64.05 90 bottom
C5  1uF  [C_0402_1005Metric]  15.58 57.78 0 bottom
C5#2  1uF  [C_0402_1005Metric]  37.78 57.78 0 bottom
C5#3  1uF  [C_0402_1005Metric]  26.62 13.22 180 bottom
C5#4  1uF  [C_0402_1005Metric]  59.98 57.78 0 bottom
C5#5  1uF  [C_0402_1005Metric]  48.82 13.22 180 bottom
C5#6  1uF  [C_0402_1005Metric]  71.02 13.22 180 bottom
C6  10uF  [C_0402_1005Metric]  56.8 7.49 270 bottom
C6#2  10uF  [C_0402_1005Metric]  29.8 63.51 90 bottom
C6#3  10uF  [C_0402_1005Metric]  12.4 7.49 270 bottom
C6#4  10uF  [C_0402_1005Metric]  52 63.51 90 bottom
C6#5  10uF  [C_0402_1005Metric]  74.2 63.51 90 bottom
C6#6  10uF  [C_0402_1005Metric]  34.6 7.49 270 bottom
C7  0.1uF  [C_0402_1005Metric]  67.9 57.05 90 bottom
C7#2  0.1uF  [C_0402_1005Metric]  45.7 57.05 90 bottom
C7#3  0.1uF  [C_0402_1005Metric]  23.5 57.05 90 bottom
C7#4  0.1uF  [C_0402_1005Metric]  18.7 13.95 270 bottom
C7#5  0.1uF  [C_0402_1005Metric]  63.1 13.95 270 bottom
C7#6  0.1uF  [C_0402_1005Metric]  40.9 13.95 270 bottom
C8  1uF  [C_0402_1005Metric]  15.3 14.35 180 bottom
C8#2  1uF  [C_0402_1005Metric]  59.7 14.35 180 bottom
C8#3  1uF  [C_0402_1005Metric]  49.1 56.65 0 bottom
C8#4  1uF  [C_0402_1005Metric]  71.3 56.65 0 bottom
C8#5  1uF  [C_0402_1005Metric]  37.5 14.35 180 bottom
C8#6  1uF  [C_0402_1005Metric]  26.9 56.65 0 bottom
C9  0.1uF  [C_0402_1005Metric]  40.8 10.85 90 bottom
C9#2  0.1uF  [C_0402_1005Metric]  45.8 60.15 270 bottom
C9#3  0.1uF  [C_0402_1005Metric]  68 60.15 270 bottom
C9#4  0.1uF  [C_0402_1005Metric]  23.6 60.15 270 bottom
C9#5  0.1uF  [C_0402_1005Metric]  18.6 10.85 90 bottom
C9#6  0.1uF  [C_0402_1005Metric]  63 10.85 90 bottom
C10  0.1uF  [C_0402_1005Metric]  52.89 9.45 0 bottom
C10#2  0.1uF  [C_0402_1005Metric]  33.71 61.55 180 bottom
C10#3  0.1uF  [C_0402_1005Metric]  11.51 61.55 180 bottom
C10#4  0.1uF  [C_0402_1005Metric]  30.69 9.45 0 bottom
C10#5  0.1uF  [C_0402_1005Metric]  75.09 9.45 0 bottom
C10#6  0.1uF  [C_0402_1005Metric]  55.91 61.55 180 bottom
C11  0.1uF  [C_0402_1005Metric]  61.6 14.95 90 bottom
C11#2  0.1uF  [C_0402_1005Metric]  69.4 56.05 270 bottom
C11#3  0.1uF  [C_0402_1005Metric]  47.2 56.05 270 bottom
C11#4  0.1uF  [C_0402_1005Metric]  17.2 14.95 90 bottom
C11#5  0.1uF  [C_0402_1005Metric]  39.4 14.95 90 bottom
C11#6  0.1uF  [C_0402_1005Metric]  25 56.05 270 bottom
C12  0.1uF  [C_0402_1005Metric]  66 13.53 0 bottom
C12#2  0.1uF  [C_0402_1005Metric]  21.6 13.53 0 bottom
C12#3  0.1uF  [C_0402_1005Metric]  65 57.47 180 bottom
C12#4  0.1uF  [C_0402_1005Metric]  42.8 57.47 180 bottom
C12#5  0.1uF  [C_0402_1005Metric]  43.8 13.53 0 bottom
C12#6  0.1uF  [C_0402_1005Metric]  20.6 57.47 180 bottom
C13  1uF  [C_0402_1005Metric]  46.8 60.15 270 bottom
C13#2  1uF  [C_0402_1005Metric]  39.8 10.85 90 bottom
C13#3  1uF  [C_0402_1005Metric]  24.6 60.15 270 bottom
C13#4  1uF  [C_0402_1005Metric]  69 60.15 270 bottom
C13#5  1uF  [C_0402_1005Metric]  62 10.85 90 bottom
C13#6  1uF  [C_0402_1005Metric]  17.6 10.85 90 bottom
C14  0.1uF  [C_0402_1005Metric]  46.8 61.55 180 bottom
C14#2  0.1uF  [C_0402_1005Metric]  17.6 9.45 0 bottom
C14#3  0.1uF  [C_0402_1005Metric]  69 61.55 180 bottom
C14#4  0.1uF  [C_0402_1005Metric]  24.6 61.55 180 bottom
C14#5  0.1uF  [C_0402_1005Metric]  39.8 9.45 0 bottom
C14#6  0.1uF  [C_0402_1005Metric]  62 9.45 0 bottom
C15  0.1uF  [C_0402_1005Metric]  65.3 10.45 0 bottom
C15#2  0.1uF  [C_0402_1005Metric]  21.3 60.55 180 bottom
C15#3  0.1uF  [C_0402_1005Metric]  65.7 60.55 180 bottom
C15#4  0.1uF  [C_0402_1005Metric]  43.1 10.45 0 bottom
C15#5  0.1uF  [C_0402_1005Metric]  20.9 10.45 0 bottom
C15#6  0.1uF  [C_0402_1005Metric]  43.5 60.55 180 bottom
C16  1uF  [C_0402_1005Metric]  59.9 12.95 90 bottom
C16#2  1uF  [C_0402_1005Metric]  37.7 12.95 90 bottom
C16#3  1uF  [C_0402_1005Metric]  15.5 12.95 90 bottom
C16#4  1uF  [C_0402_1005Metric]  26.7 58.05 270 bottom
C16#5  1uF  [C_0402_1005Metric]  48.9 58.05 270 bottom
C16#6  1uF  [C_0402_1005Metric]  71.1 58.05 270 bottom
C17  1uF  [C_0402_1005Metric]  62 13.05 270 bottom
C17#2  1uF  [C_0402_1005Metric]  39.8 13.05 270 bottom
C17#3  1uF  [C_0402_1005Metric]  17.6 13.05 270 bottom
C17#4  1uF  [C_0402_1005Metric]  24.6 57.95 90 bottom
C17#5  1uF  [C_0402_1005Metric]  46.8 57.95 90 bottom
C17#6  1uF  [C_0402_1005Metric]  69 57.95 90 bottom
C18  1uF  [C_0402_1005Metric]  19.8 9.45 180 bottom
C18#2  1uF  [C_0402_1005Metric]  22.4 61.55 0 bottom
C18#3  1uF  [C_0402_1005Metric]  42 9.45 180 bottom
C18#4  1uF  [C_0402_1005Metric]  64.2 9.45 180 bottom
C18#5  1uF  [C_0402_1005Metric]  66.8 61.55 0 bottom
C18#6  1uF  [C_0402_1005Metric]  44.6 61.55 0 bottom
C19  1uF  [C_0402_1005Metric]  41.9 12.35 90 bottom
C19#2  1uF  [C_0402_1005Metric]  44.7 58.65 270 bottom
C19#3  1uF  [C_0402_1005Metric]  64.1 12.35 90 bottom
C19#4  1uF  [C_0402_1005Metric]  19.7 12.35 90 bottom
C19#5  1uF  [C_0402_1005Metric]  22.5 58.65 270 bottom
C19#6  1uF  [C_0402_1005Metric]  66.9 58.65 270 bottom
C20  4.7uF  [C_0402_1005Metric]  68.4 13.53 0 bottom
C20#2  4.7uF  [C_0402_1005Metric]  46.2 13.53 0 bottom
C20#3  4.7uF  [C_0402_1005Metric]  40.4 57.47 180 bottom
C20#4  4.7uF  [C_0402_1005Metric]  18.2 57.47 180 bottom
C20#5  4.7uF  [C_0402_1005Metric]  62.6 57.47 180 bottom
C20#6  4.7uF  [C_0402_1005Metric]  24 13.53 0 bottom
C21  1uF  [C_0402_1005Metric]  55.45 58.98 270 bottom
C21#2  1uF  [C_0402_1005Metric]  75.55 12.02 90 bottom
C21#3  1uF  [C_0402_1005Metric]  11.05 58.98 270 bottom
C21#4  1uF  [C_0402_1005Metric]  53.35 12.02 90 bottom
C21#5  1uF  [C_0402_1005Metric]  31.15 12.02 90 bottom
C21#6  1uF  [C_0402_1005Metric]  33.25 58.98 270 bottom
C22  1uF  [C_0402_1005Metric]  21.1 16.25 90 bottom
C22#2  1uF  [C_0402_1005Metric]  43.3 16.25 90 bottom
C22#3  1uF  [C_0402_1005Metric]  21.1 54.75 270 bottom
C22#4  1uF  [C_0402_1005Metric]  65.5 54.75 270 bottom
C22#5  1uF  [C_0402_1005Metric]  65.5 16.25 90 bottom
C22#6  1uF  [C_0402_1005Metric]  43.3 54.75 270 bottom
C23  2.2uF  [C_0603_1608Metric]  68.63 9.48 180 bottom
C23#2  2.2uF  [C_0603_1608Metric]  17.97 61.52 0 bottom
C23#3  2.2uF  [C_0603_1608Metric]  46.43 9.48 180 bottom
C23#4  2.2uF  [C_0603_1608Metric]  24.23 9.48 180 bottom
C23#5  2.2uF  [C_0603_1608Metric]  62.37 61.52 0 bottom
C23#6  2.2uF  [C_0603_1608Metric]  40.17 61.52 0 bottom
C24  0.1uF  [C_0402_1005Metric]  38.7 12.25 90 bottom
C24#2  0.1uF  [C_0402_1005Metric]  25.7 58.75 270 bottom
C24#3  0.1uF  [C_0402_1005Metric]  16.5 12.25 90 bottom
C24#4  0.1uF  [C_0402_1005Metric]  60.9 12.25 90 bottom
C24#5  0.1uF  [C_0402_1005Metric]  47.9 58.75 270 bottom
C24#6  0.1uF  [C_0402_1005Metric]  70.1 58.75 270 bottom
C25  10pF  [C_0201_0603Metric]  33.18 12.38 90 bottom
C25#2  10pF  [C_0201_0603Metric]  55.38 12.38 90 bottom
C25#3  10pF  [C_0201_0603Metric]  10.98 12.38 90 bottom
C25#4  10pF  [C_0201_0603Metric]  31.23 58.62 270 bottom
C25#5  10pF  [C_0201_0603Metric]  53.43 58.62 270 bottom
C25#6  10pF  [C_0201_0603Metric]  75.63 58.62 270 bottom
C26  0.1uF  [C_0402_1005Metric]  19.8 15.45 90 bottom
C26#2  0.1uF  [C_0402_1005Metric]  66.8 55.55 270 bottom
C26#3  0.1uF  [C_0402_1005Metric]  64.2 15.45 90 bottom
C26#4  0.1uF  [C_0402_1005Metric]  44.6 55.55 270 bottom
C26#5  0.1uF  [C_0402_1005Metric]  22.4 55.55 270 bottom
C26#6  0.1uF  [C_0402_1005Metric]  42 15.45 90 bottom
C27  4.7uF  [C_0402_1005Metric]  63.1 54.55 180 bottom
C27#2  4.7uF  [C_0402_1005Metric]  23.5 16.45 0 bottom
C27#3  4.7uF  [C_0402_1005Metric]  18.7 54.55 180 bottom
C27#4  4.7uF  [C_0402_1005Metric]  40.9 54.55 180 bottom
C27#5  4.7uF  [C_0402_1005Metric]  45.7 16.45 0 bottom
C27#6  4.7uF  [C_0402_1005Metric]  67.9 16.45 0 bottom
C28  10uF  [C_0402_1005Metric]  36.2 11.85 90 bottom
C28#2  10uF  [C_0402_1005Metric]  72.6 59.15 270 bottom
C28#3  10uF  [C_0402_1005Metric]  50.4 59.15 270 bottom
C28#4  10uF  [C_0402_1005Metric]  28.2 59.15 270 bottom
C28#5  10uF  [C_0402_1005Metric]  14 11.85 90 bottom
C28#6  10uF  [C_0402_1005Metric]  58.4 11.85 90 bottom
C29  10uF  [C_0402_1005Metric]  58.18 13.81 270 bottom
C29#2  10uF  [C_0402_1005Metric]  28.43 57.19 90 bottom
C29#3  10uF  [C_0402_1005Metric]  13.78 13.81 270 bottom
C29#4  10uF  [C_0402_1005Metric]  50.63 57.19 90 bottom
C29#5  10uF  [C_0402_1005Metric]  35.98 13.81 270 bottom
C29#6  10uF  [C_0402_1005Metric]  72.83 57.19 90 bottom
C31  0.1uF  [C_0402_1005Metric]  30.23 12.02 90 bottom
C31#2  0.1uF  [C_0402_1005Metric]  52.43 12.02 90 bottom
C31#3  0.1uF  [C_0402_1005Metric]  11.98 58.98 270 bottom
C31#4  0.1uF  [C_0402_1005Metric]  34.18 58.98 270 bottom
C31#5  0.1uF  [C_0402_1005Metric]  74.63 12.02 90 bottom
C31#6  0.1uF  [C_0402_1005Metric]  56.38 58.98 270 bottom
C32  0.1uF  [C_0402_1005Metric]  59.98 58.7 0 bottom
C32#2  0.1uF  [C_0402_1005Metric]  26.63 12.3 180 bottom
C32#3  0.1uF  [C_0402_1005Metric]  48.83 12.3 180 bottom
C32#4  0.1uF  [C_0402_1005Metric]  37.78 58.7 0 bottom
C32#5  0.1uF  [C_0402_1005Metric]  71.03 12.3 180 bottom
C32#6  0.1uF  [C_0402_1005Metric]  15.58 58.7 0 bottom
C33  0.1uF  [C_0402_1005Metric]  66 14.45 0 bottom
C33#2  0.1uF  [C_0402_1005Metric]  21.6 14.45 0 bottom
C33#3  0.1uF  [C_0402_1005Metric]  20.6 56.55 180 bottom
C33#4  0.1uF  [C_0402_1005Metric]  65 56.55 180 bottom
C33#5  0.1uF  [C_0402_1005Metric]  42.8 56.55 180 bottom
C33#6  0.1uF  [C_0402_1005Metric]  43.8 14.45 0 bottom
C34  1uF  [C_0201_0603Metric]  13.85 50.25 270 top
C34#2  1uF  [C_0201_0603Metric]  58.25 50.25 270 top
C34#3  1uF  [C_0201_0603Metric]  50.55 20.75 90 top
C34#4  1uF  [C_0201_0603Metric]  72.75 20.75 90 top
C34#5  1uF  [C_0201_0603Metric]  28.35 20.75 90 top
C34#6  1uF  [C_0201_0603Metric]  36.05 50.25 270 top
C35  0.1uF  [C_0402_1005Metric]  72.6 61.1 270 bottom
C35#2  0.1uF  [C_0402_1005Metric]  36.2 9.9 90 bottom
C35#3  0.1uF  [C_0402_1005Metric]  14 9.9 90 bottom
C35#4  0.1uF  [C_0402_1005Metric]  50.4 61.1 270 bottom
C35#5  0.1uF  [C_0402_1005Metric]  58.4 9.9 90 bottom
C35#6  0.1uF  [C_0402_1005Metric]  28.2 61.1 270 bottom
C36  1uF  [C_0201_0603Metric]  31.09 16.6 0 top
C36#2  1uF  [C_0201_0603Metric]  55.51 54.4 180 top
C36#3  1uF  [C_0201_0603Metric]  53.29 16.6 0 top
C36#4  1uF  [C_0201_0603Metric]  11.11 54.4 180 top
C36#5  1uF  [C_0201_0603Metric]  33.31 54.4 180 top
C36#6  1uF  [C_0201_0603Metric]  75.49 16.6 0 top
C37  1uF  [C_0201_0603Metric]  53.25 20.55 0 top
C37#2  1uF  [C_0201_0603Metric]  11.15 50.45 180 top
C37#3  1uF  [C_0201_0603Metric]  31.05 20.55 0 top
C37#4  1uF  [C_0201_0603Metric]  55.55 50.45 180 top
C37#5  1uF  [C_0201_0603Metric]  33.35 50.45 180 top
C37#6  1uF  [C_0201_0603Metric]  75.45 20.55 0 top
C65  0.1uF  [C_0402_1005Metric]  35.56 59.66 0 bottom
C65#2  0.1uF  [C_0402_1005Metric]  57.76 59.66 0 bottom
C65#3  0.1uF  [C_0402_1005Metric]  73.24 11.34 180 bottom
C65#4  0.1uF  [C_0402_1005Metric]  28.84 11.34 180 bottom
C65#5  0.1uF  [C_0402_1005Metric]  51.04 11.34 180 bottom
C65#6  0.1uF  [C_0402_1005Metric]  13.36 59.66 0 bottom
C79  1uF  [C_0402_1005Metric]  38.1 10.45 180 bottom
C79#2  1uF  [C_0402_1005Metric]  15.9 10.45 180 bottom
C79#3  1uF  [C_0402_1005Metric]  26.3 60.55 0 bottom
C79#4  1uF  [C_0402_1005Metric]  60.3 10.45 180 bottom
C79#5  1uF  [C_0402_1005Metric]  70.7 60.55 0 bottom
C79#6  1uF  [C_0402_1005Metric]  48.5 60.55 0 bottom
C80  1uF  [C_0402_1005Metric]  13 15.85 180 bottom
C80#2  1uF  [C_0402_1005Metric]  57.4 15.85 180 bottom
C80#3  1uF  [C_0402_1005Metric]  29.2 55.15 0 bottom
C80#4  1uF  [C_0402_1005Metric]  73.6 55.15 0 bottom
C80#5  1uF  [C_0402_1005Metric]  51.4 55.15 0 bottom
C80#6  1uF  [C_0402_1005Metric]  35.2 15.85 180 bottom
C81  1uF  [C_0402_1005Metric]  21.5 18.65 90 bottom
C81#2  1uF  [C_0402_1005Metric]  65.1 52.35 270 bottom
C81#3  1uF  [C_0402_1005Metric]  42.9 52.35 270 bottom
C81#4  1uF  [C_0402_1005Metric]  20.7 52.35 270 bottom
C81#5  1uF  [C_0402_1005Metric]  65.9 18.65 90 bottom
C81#6  1uF  [C_0402_1005Metric]  43.7 18.65 90 bottom
C82  1uF  [C_0402_1005Metric]  19.21 53.3 180 bottom
C82#2  1uF  [C_0402_1005Metric]  41.41 53.3 180 bottom
C82#3  1uF  [C_0402_1005Metric]  63.61 53.3 180 bottom
C82#4  1uF  [C_0402_1005Metric]  22.99 17.7 0 bottom
C82#5  1uF  [C_0402_1005Metric]  45.19 17.7 0 bottom
C82#6  1uF  [C_0402_1005Metric]  67.39 17.7 0 bottom
C83  1uF  [C_0402_1005Metric]  22.1 11.85 270 bottom
C83#2  1uF  [C_0402_1005Metric]  64.5 59.15 90 bottom
C83#3  1uF  [C_0402_1005Metric]  44.3 11.85 270 bottom
C83#4  1uF  [C_0402_1005Metric]  66.5 11.85 270 bottom
C83#5  1uF  [C_0402_1005Metric]  42.3 59.15 90 bottom
C83#6  1uF  [C_0402_1005Metric]  20.1 59.15 90 bottom
D1  LED 0402 RED  [LED_0402_1005Metric]  56.8 20.05 180 top
D1#2  LED 0402 RED  [LED_0402_1005Metric]  29.8 50.95 0 top
D1#3  LED 0402 RED  [LED_0402_1005Metric]  34.6 20.05 180 top
D1#4  LED 0402 RED  [LED_0402_1005Metric]  12.4 20.05 180 top
D1#5  LED 0402 RED  [LED_0402_1005Metric]  74.2 50.95 0 top
D1#6  LED 0402 RED  [LED_0402_1005Metric]  52 50.95 0 top
D2  LED 0402 RED  [LED_0402_1005Metric]  36.72 20.05 180 top
D2#2  LED 0402 RED  [LED_0402_1005Metric]  27.69 50.95 0 top
D2#3  LED 0402 RED  [LED_0402_1005Metric]  58.92 20.05 180 top
D2#4  LED 0402 RED  [LED_0402_1005Metric]  49.89 50.95 0 top
D2#5  LED 0402 RED  [LED_0402_1005Metric]  14.52 20.05 180 top
D2#6  LED 0402 RED  [LED_0402_1005Metric]  72.09 50.95 0 top
G***  -  [LOGO]  17.18 3.35 0 top
G***#2  -  [LOGO]  50.9 67.65 180 top
G***#3  -  [LOGO]  57.9 3.35 0 top
G***#4  -  [LOGO]  47.22 67.65 180 top
G***#5  -  [LOGO]  35.7 3.35 0 top
G***#6  -  [LOGO]  43.16 3.44 90 top
G***#7  -  [LOGO]  43.44 67.56 270 top
G***#8  -  [LOGO]  20.96 3.44 90 top
G***#9  -  [LOGO]  69.42 67.65 180 top
G***#10  -  [LOGO]  73.1 67.65 180 top
G***#11  -  [LOGO]  65.64 67.56 270 top
G***#12  -  [LOGO]  39.38 3.35 0 top
G***#13  -  [LOGO]  21.24 67.56 270 top
G***#14  -  [LOGO]  61.58 3.35 0 top
G***#15  -  [LOGO]  25.02 67.65 180 top
G***#16  -  [LOGO]  65.36 3.44 90 top
G***#17  -  [LOGO]  28.7 67.65 180 top
G***#18  -  [LOGO]  13.5 3.35 0 top
G***#19  -  [LOGO]  63.56 64.86 0 bottom
G***#20  -  [LOGO]  41.36 64.86 0 bottom
G***#21  -  [LOGO]  23.04 6.14 180 bottom
G***#22  -  [LOGO]  45.24 6.14 180 bottom
G***#23  -  [LOGO]  19.16 64.86 0 bottom
G***#24  -  [LOGO]  67.44 6.14 180 bottom
IC1  ECP5-BGA256  [lattice_cabga256]  46.4 59.05 0 top
IC1#2  ECP5-BGA256  [lattice_cabga256]  68.6 59.05 0 top
IC1#3  ECP5-BGA256  [lattice_cabga256]  62.4 11.95 180 top
IC1#4  ECP5-BGA256  [lattice_cabga256]  24.2 59.05 0 top
IC1#5  ECP5-BGA256  [lattice_cabga256]  18 11.95 180 top
IC1#6  ECP5-BGA256  [lattice_cabga256]  40.2 11.95 180 top
J1  MICROMOD-2222  [M.2-CARD-E-22]  43.3 71 180 top  (not fitted)
J1#2  MICROMOD-2222  [M.2-CARD-E-22]  65.5 71 180 top  (not fitted)
J1#3  MICROMOD-2222  [M.2-CARD-E-22]  21.1 71 180 top  (not fitted)
J1#4  MICROMOD-2222  [M.2-CARD-E-22]  65.5 0 0 top  (not fitted)
J1#5  MICROMOD-2222  [M.2-CARD-E-22]  43.3 0 0 top  (not fitted)
J1#6  MICROMOD-2222  [M.2-CARD-E-22]  21.1 0 0 top  (not fitted)
KiKit_FID_B_1  -  [Fiducial]  7 61 0 bottom
KiKit_FID_B_2  -  [Fiducial]  79.6 61 0 bottom
KiKit_FID_B_3  -  [Fiducial]  7 10 0 bottom
KiKit_FID_B_4  -  [Fiducial]  79.6 10 0 bottom
KiKit_FID_T_1  -  [Fiducial]  7 61 0 top
KiKit_FID_T_2  -  [Fiducial]  79.6 61 0 top
KiKit_FID_T_3  -  [Fiducial]  7 10 0 top
KiKit_FID_T_4  -  [Fiducial]  79.6 10 0 top
KiKit_TO_1  -  [NPTH]  5 66 0 top
KiKit_TO_2  -  [NPTH]  81.6 66 0 top
KiKit_TO_3  -  [NPTH]  5 5 0 top
KiKit_TO_4  -  [NPTH]  81.6 5 0 top
L1  2.2uH  [L_0805_2012Metric]  29.88 58.15 270 bottom
L1#2  2.2uH  [L_0805_2012Metric]  34.53 12.85 90 bottom
L1#3  2.2uH  [L_0805_2012Metric]  56.73 12.85 90 bottom
L1#4  2.2uH  [L_0805_2012Metric]  12.33 12.85 90 bottom
L1#5  2.2uH  [L_0805_2012Metric]  74.28 58.15 270 bottom
L1#6  2.2uH  [L_0805_2012Metric]  52.08 58.15 270 bottom
R1  10k  [R_0201_0603Metric]  36.45 8.57 0 bottom
R1#2  10k  [R_0201_0603Metric]  50.15 62.43 180 bottom
R1#3  10k  [R_0201_0603Metric]  58.65 8.57 0 bottom
R1#4  10k  [R_0201_0603Metric]  14.25 8.57 0 bottom
R1#5  10k  [R_0201_0603Metric]  27.95 62.43 180 bottom
R1#6  10k  [R_0201_0603Metric]  72.35 62.43 180 bottom
R2  100k  [R_0201_0603Metric]  10.98 13.82 90 bottom
R2#2  100k  [R_0201_0603Metric]  33.18 13.82 90 bottom
R2#3  100k  [R_0201_0603Metric]  31.23 57.18 270 bottom
R2#4  100k  [R_0201_0603Metric]  55.38 13.82 90 bottom
R2#5  100k  [R_0201_0603Metric]  75.63 57.18 270 bottom
R2#6  100k  [R_0201_0603Metric]  53.43 57.18 270 bottom
R3  120k  [R_0201_0603Metric]  53.48 60.38 270 bottom
R3#2  120k  [R_0201_0603Metric]  33.13 10.62 90 bottom
R3#3  120k  [R_0201_0603Metric]  10.93 10.62 90 bottom
R3#4  120k  [R_0201_0603Metric]  75.68 60.38 270 bottom
R3#5  120k  [R_0201_0603Metric]  55.33 10.62 90 bottom
R3#6  120k  [R_0201_0603Metric]  31.28 60.38 270 bottom
R5  2.2k  [R_0402_1005Metric]  50.98 51.01 90 bottom
R5#2  2.2k  [R_0402_1005Metric]  13.42 19.99 270 bottom
R5#3  2.2k  [R_0402_1005Metric]  35.62 19.99 270 bottom
R5#4  2.2k  [R_0402_1005Metric]  57.82 19.99 270 bottom
R5#5  2.2k  [R_0402_1005Metric]  73.18 51.01 90 bottom
R5#6  2.2k  [R_0402_1005Metric]  28.78 51.01 90 bottom
R6  5.1k  [R_0402_1005Metric]  14.85 21.25 180 bottom
R6#2  5.1k  [R_0402_1005Metric]  59.25 21.25 180 bottom
R6#3  5.1k  [R_0402_1005Metric]  37.05 21.25 180 bottom
R6#4  5.1k  [R_0402_1005Metric]  27.35 49.75 0 bottom
R6#5  5.1k  [R_0402_1005Metric]  49.55 49.75 0 bottom
R6#6  5.1k  [R_0402_1005Metric]  71.75 49.75 0 bottom
R7  8.06k  [R_0201_0603Metric]  56.7 50.95 90 top
R7#2  8.06k  [R_0201_0603Metric]  34.5 50.95 90 top
R7#3  8.06k  [R_0201_0603Metric]  74.3 20.05 270 top
R7#4  8.06k  [R_0201_0603Metric]  12.3 50.95 90 top
R7#5  8.06k  [R_0201_0603Metric]  29.9 20.05 270 top
R7#6  8.06k  [R_0201_0603Metric]  52.1 20.05 270 top
R8  20K  [R_0402_1005Metric]  75.6 19.15 90 top
R8#2  20K  [R_0402_1005Metric]  55.4 51.85 270 top
R8#3  20K  [R_0402_1005Metric]  33.2 51.85 270 top
R8#4  20K  [R_0402_1005Metric]  11 51.85 270 top
R8#5  20K  [R_0402_1005Metric]  53.4 19.15 90 top
R8#6  20K  [R_0402_1005Metric]  31.2 19.15 90 top
R9  27R  [R_0201_0603Metric]  33.3 55.1 0 top
R9#2  27R  [R_0201_0603Metric]  75.5 15.9 180 top
R9#3  27R  [R_0201_0603Metric]  31.1 15.9 180 top
R9#4  27R  [R_0201_0603Metric]  53.3 15.9 180 top
R9#5  27R  [R_0201_0603Metric]  55.5 55.1 0 top
R9#6  27R  [R_0201_0603Metric]  11.1 55.1 0 top
R10  27R  [R_0201_0603Metric]  52.85 14.8 90 top
R10#2  27R  [R_0201_0603Metric]  55.95 56.2 270 top
R10#3  27R  [R_0201_0603Metric]  11.55 56.2 270 top